# Altium PCB LeadAcidBatteryCharger.PcbDoc
Units mm, origin at the board's own origin, x right, y up, seen from the top; angles counter-clockwise.
Board outline 135.51 x 89.66 mm, 2 copper layers (Top Layer, Bottom Layer), stack 1 mm thick; 52 components, 32 nets, 186 pads, 16 vias.
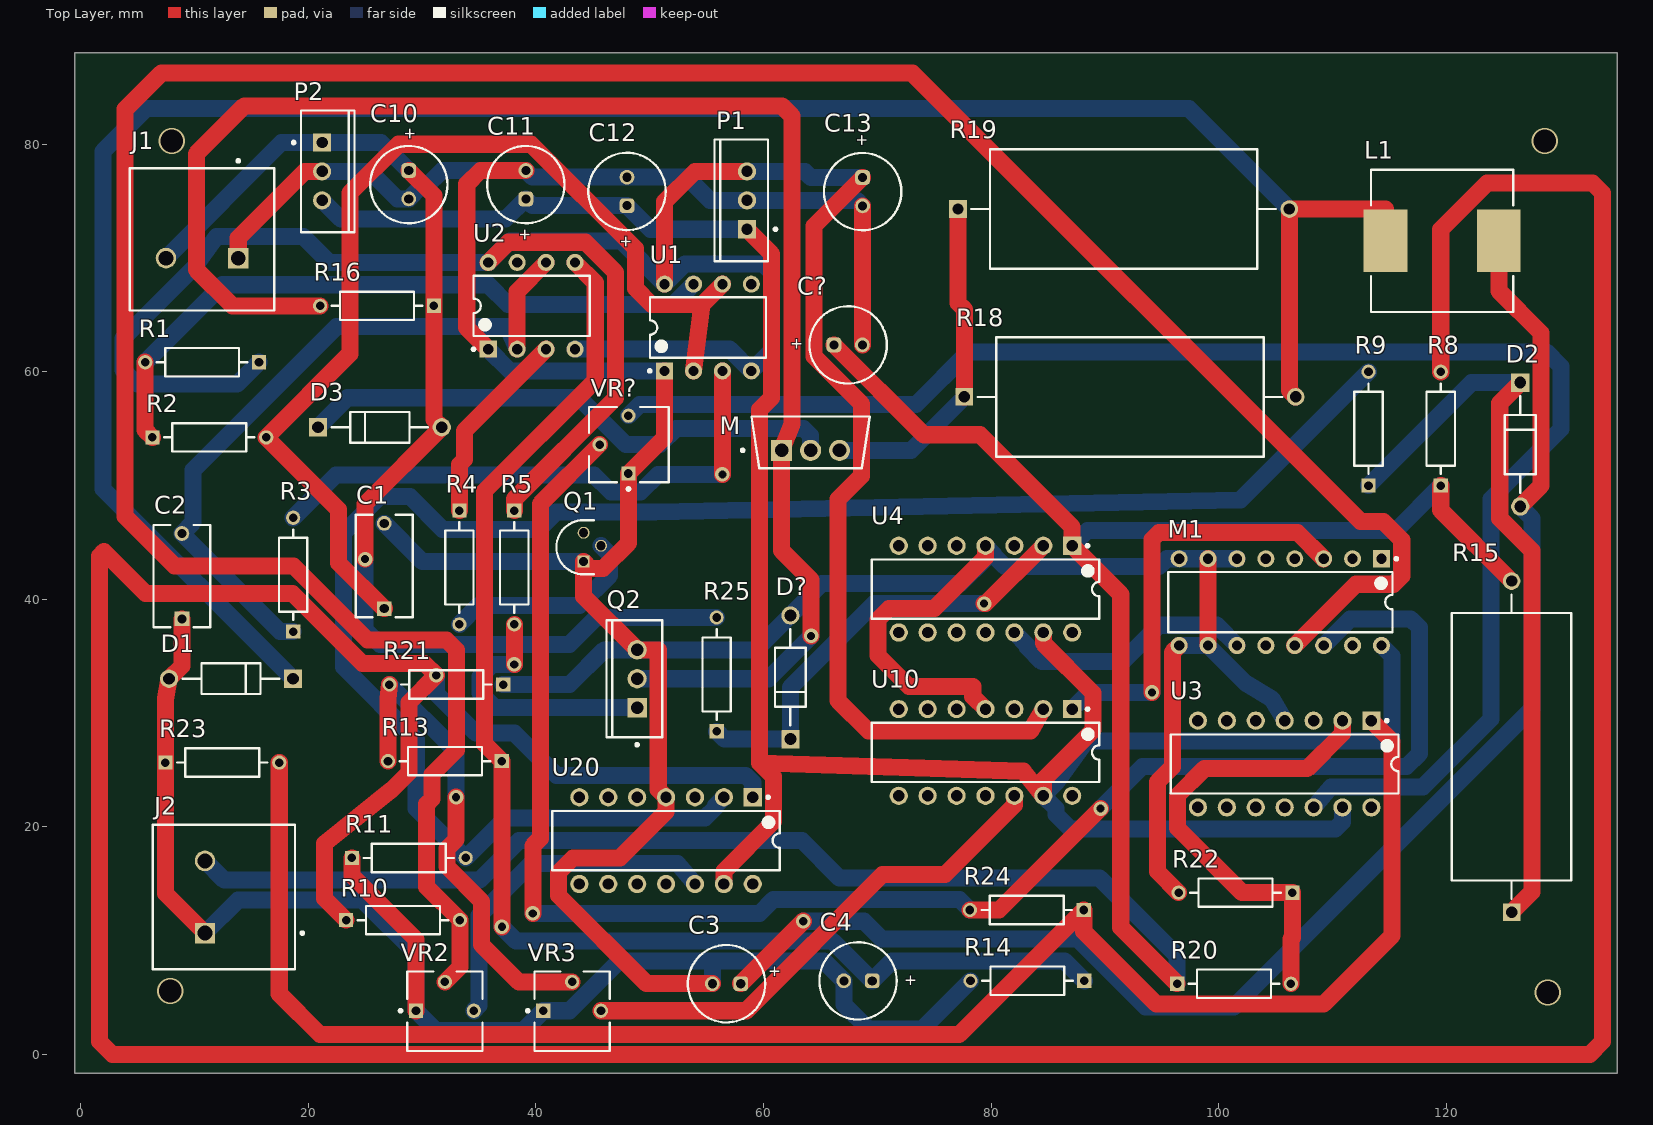
[diagram p0: Top Layer view]
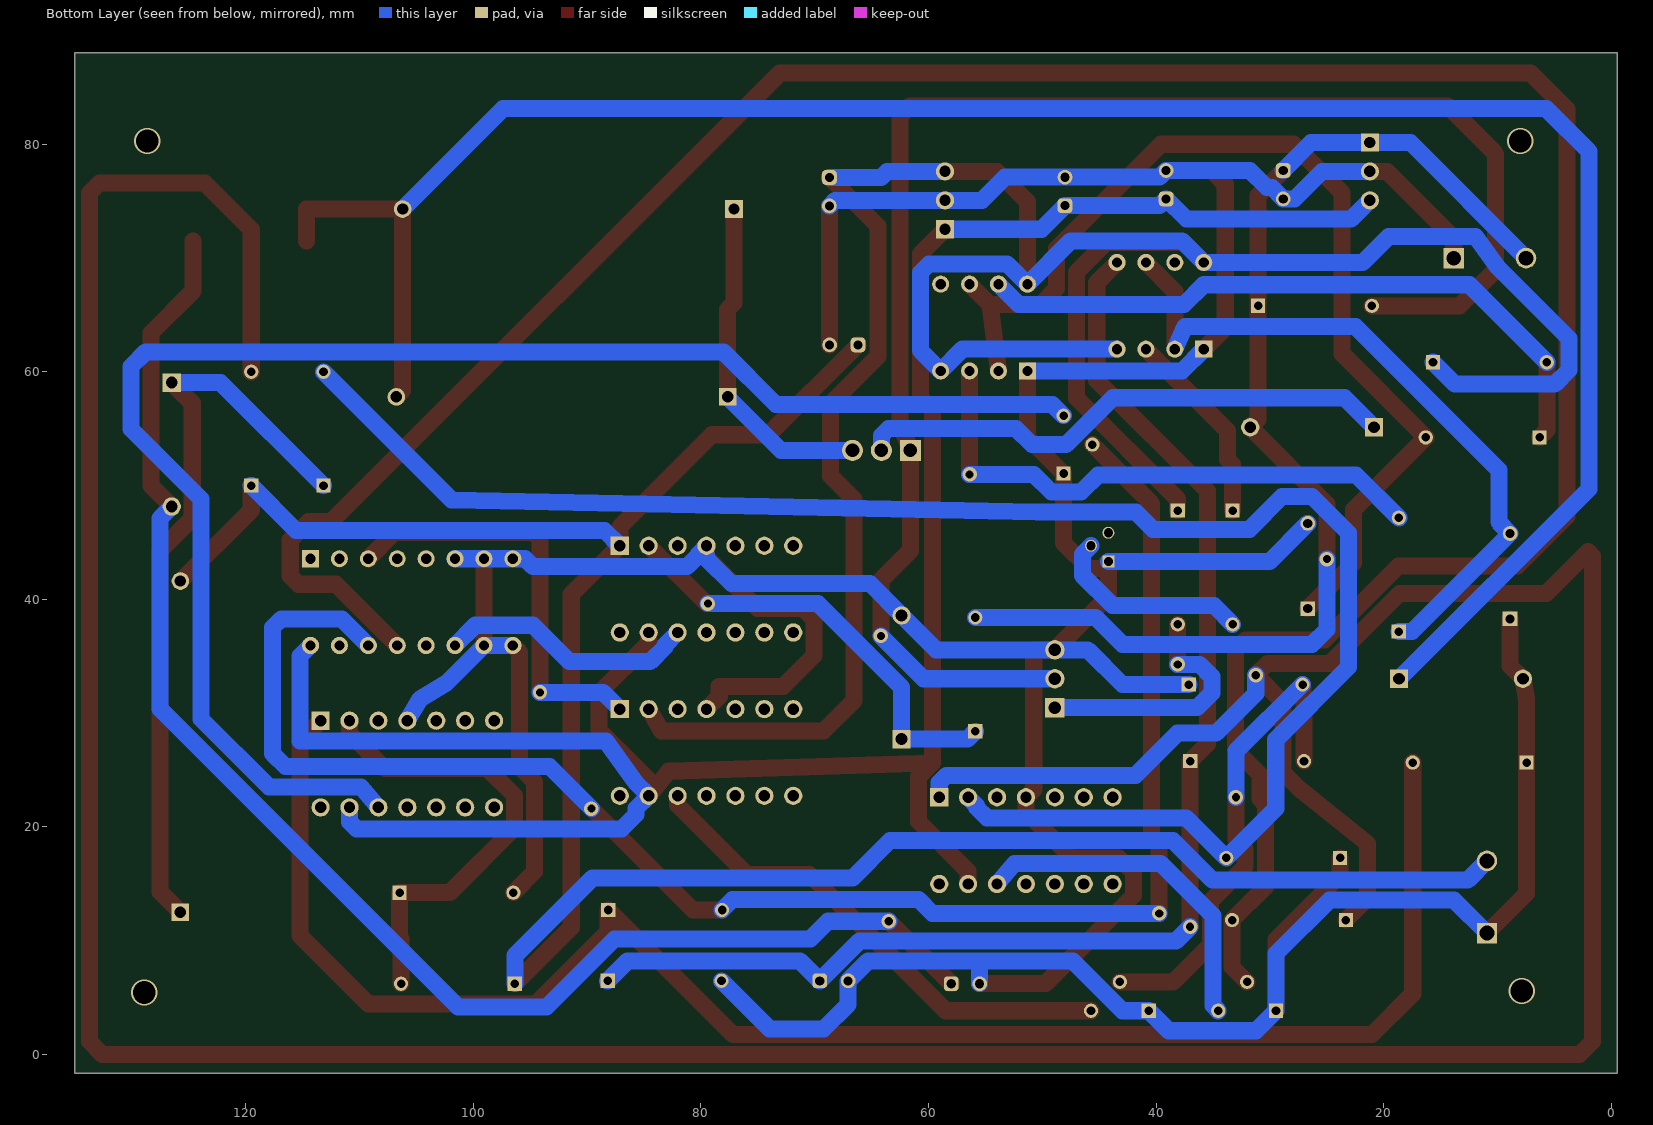
[diagram p1: Bottom Layer view, seen from below]
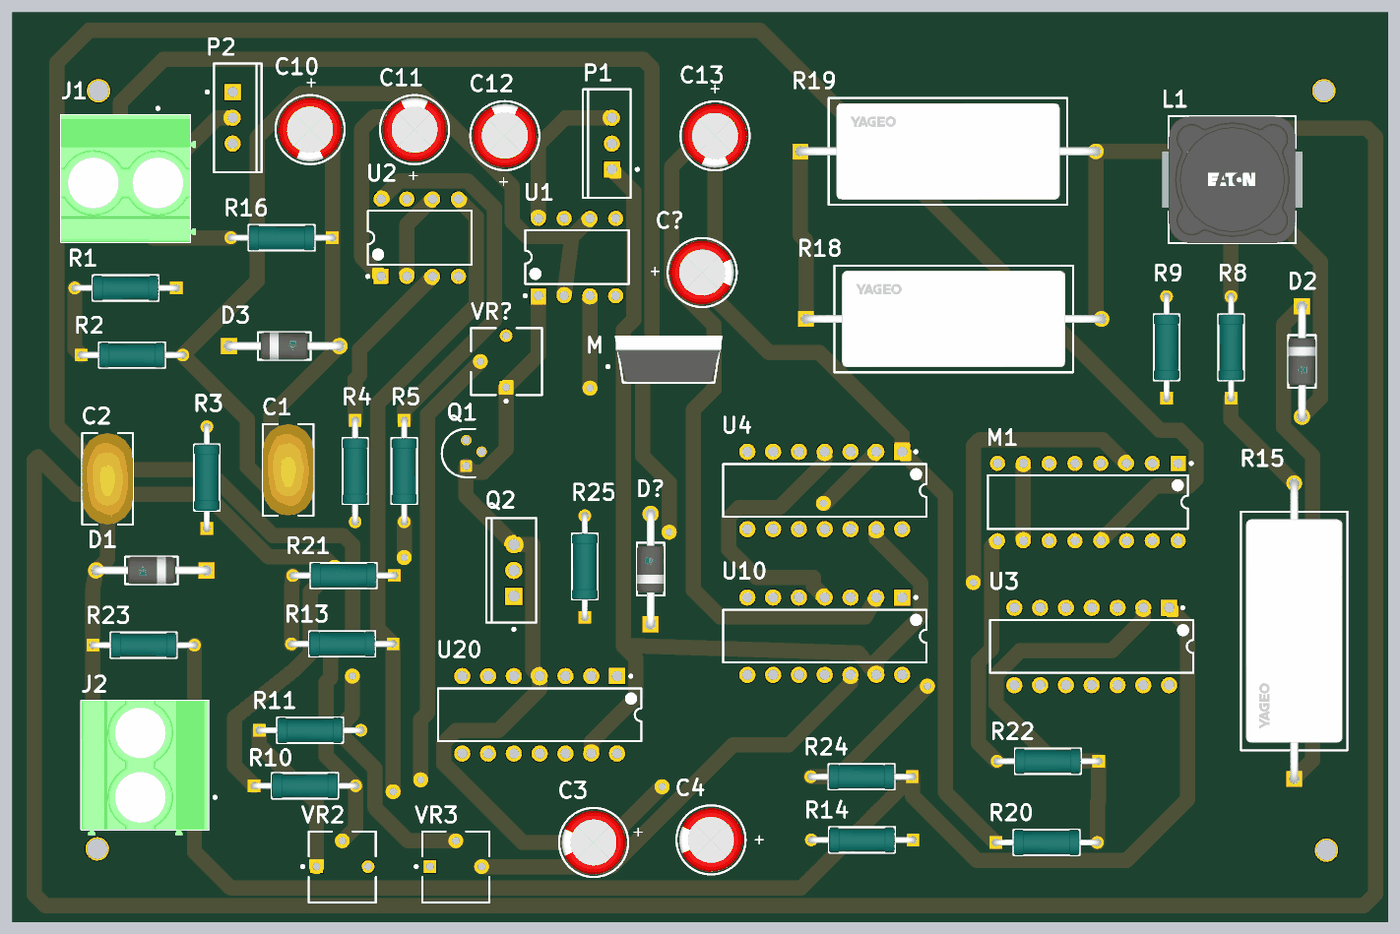
[diagram p2: 3D render of the assembled board from above, using the file's embedded part models]

## Layer stack, top to bottom
Top Solder: solder mask 0.05, Solder Resist, Dk 3.5
Top Layer: signal copper 0.1
Dielectric 1: dielectric 0.8, FR-4, Dk 4.8
Bottom Layer: signal copper 0.1
Bottom Solder: solder mask 0.05, Solder Resist, Dk 3.5

## Board outline
-0.508,-1.651 135.001,-1.651 135.001,88.011 -0.508,88.011

## Design rules (kind name [scope] priority, off if disabled: settings)
AssemblyTestpoint [All] p1: testpointundercomponent=TRUE minsize=1.016 maxsize=2.54 preferedsize=1.524 minholesize=0 maxholesize=1.016 preferedholesize=0.813 testpointgrid=0.025 usegrid=TRUE gridoriginx=25.4 gridoriginy=50.419 gridtolerance=0 allowsidetop=TRUE allowsidebottom=TRUE
Clearance Clearance_1_1 [OnMid vs OnMid] p1: gap=0.254 ignorepadtopadclearanceinfootprint=FALSE except(0: Arc-Hole Track-Hole SMDPad-Hole THPad-Hole Via-Hole Fill-Hole Poly-Hole Region-Hole Text-Hole) sourcerule=37 cellrowname=All cellrowtype=0 cellcolname=All cellcoltype=0 innerlayers=TRUE
Clearance Clearance_1_2 [(ExistsOnLayer('Top Layer') Or ExistsOnLayer('Bottom Layer')) vs (ExistsOnLayer('Top Layer') Or ExistsOnLayer('Bottom Layer'))] p2: gap=0.254 ignorepadtopadclearanceinfootprint=FALSE except(0: Arc-Hole Track-Hole SMDPad-Hole THPad-Hole Via-Hole Fill-Hole Poly-Hole Region-Hole Text-Hole) sourcerule=37 cellrowname=All cellrowtype=0 cellcolname=All cellcoltype=0 outerlayers=TRUE
Clearance Clearance_1 [All] p3: gap=0.254 ignorepadtopadclearanceinfootprint=FALSE except(0: Arc-Hole Track-Hole SMDPad-Hole THPad-Hole Via-Hole Fill-Hole Poly-Hole Region-Hole Text-Hole)
Clearance Clearance_2 [All] p4: gap=0.254 ignorepadtopadclearanceinfootprint=FALSE except(0: Arc-Hole Track-Hole SMDPad-Hole THPad-Hole Via-Hole Fill-Hole Poly-Hole Region-Hole Text-Hole)
FabricationTestpoint [All] p1: side=3 testpointundercomponent=TRUE minsize=1.016 maxsize=2.54 preferedsize=1.524 minholesize=0 maxholesize=1.016 preferedholesize=0.813 testpointgrid=0.025 allowsidetop=TRUE allowsidebottom=TRUE usegrid=TRUE gridoriginx=25.4 gridoriginy=50.419 gridtolerance=0
PolygonConnect [All] p1: connectstyle=Relief reliefconductorwidth=0.254 reliefentries=4 polygonreliefangle="90 Angle" airgapwidth=0.254
RoutingVias [All] p1: holewidth=0.711 width=1.27 viastyle="Through Hole" minholewidth=0.711 minwidth=1.27 maxholewidth=0.711 maxwidth=1.27
SolderMaskExpansion [All] p1: expansion=0.102 istentingtop=FALSE
Width [All] p1: maxlimit=1.5 minlimit=1.5 preferedwidth=1.5 minimp=50.000000 maximp=50.000000 favimp=50.000000
Width MaxMinWidth_1 [All] p2: maxlimit=1.5 minlimit=1.5 preferedwidth=1.5 minimp=50.000000 maximp=50.000000 favimp=50.000000
28 further rules are at their usual default settings.

## Components (designator, comment, footprint, x,y, rotation, side; value= is the part's Value field where it differs from the comment)
C1 "220pF" FP-VY2222M35Y5US6TV7-MFG 26.67,42.926 r90 top
C2 "22pF" FP-VY2222M35Y5US6TV7-MFG 8.89,42.037 r90 top
C3 "100uF" WCAP-ATLL_D6.3H15 56.749,6.223 r0 top
C4 "22uF" WCAP-ATLL_D6.3H15 68.306,6.477 r0 top
C10 "0.33uF" WCAP-ATLL_D6.3H15 28.829,76.434 r90 top
C11 "0.1uF" WCAP-ATLL_D6.3H15 39.116,76.434 r270 top
C12 "0.33uF" WCAP-ATLL_D6.3H15 48.006,75.839 r270 top
C13 "0.33uF" WCAP-ATLL_D6.3H15 68.707,75.819 r90 top
C? "100uF" WCAP-ATLL_D6.3H15 67.437,62.357 r180 top
D1 "1N5819" FP-1N5819-E3-54-MFG 13.208,33.02 r180 top
D2 "1N5819" FP-1N5819-E3-54-MFG 126.492,53.594 r270 top
D3 "1N5819" FP-1N5819-E3-54-MFG 26.289,55.118 r0 top
D? "1N5819" FP-1N5819-E3-54-MFG 62.357,33.147 r90 top
J1 "1714955" PHOE-1714955_V 10.668,69.977 r180 top
J2 "1714955" PHOE-1714955_V 10.922,13.843 r90 top
L1 "100u" FP-DR127-MFG 119.634,71.501 r0 top
M "IRFZ44VPBF" FP-PG-TO220-3-MFG 64.135,53.791 r90 top
M1 "CD4051BE" N0016A 105.41,39.751 r270 top
P1 "LM7805ct" NDE0003A 58.547,75.057 r90 top
P2 "LM7805ct" NDE0003A 21.209,77.597 r270 top
Q1 "2N3904BU" FAIR-TO-92 44.196,43.307 r90 top
Q2 "TIP120" ONSC-TO-220-3-221A-09 48.895,33.02 r180 top
R1 "1K" FP-MRS25-MFG 10.668,60.833 r180 top
R2 "15K" FP-MRS25-MFG 11.303,54.229 r0 top
R3 "15K" FP-MRS25-MFG 18.669,42.164 r90 top
R4 "1K" FP-MRS25-MFG 33.274,42.799 r270 top
R5 "100" FP-MRS25-MFG 38.1,42.799 r270 top
R8 "20K" FP-MRS25-MFG 119.507,54.991 r90 top
R9 "20K" FP-MRS25-MFG 113.157,54.991 r90 top
R10 "100K" FP-MRS25-MFG 28.321,11.811 r0 top
R11 "100K" FP-MRS25-MFG 28.829,17.272 r0 top
R13 "100" FP-MRS25-MFG 32.004,25.781 r180 top
R14 "1K" FP-MRS25-MFG 83.185,6.477 r180 top
R15 "1" FP-SQP500-MFG 125.73,27.051 r90 top
R16 "100" FP-MRS25-MFG 26.035,65.786 r180 top
R18 "24" FP-SQP500-MFG 92.202,57.785 r0 top
R19 "24" FP-SQP500-MFG 91.644,74.295 r0 top
R20 "4.7K" FP-MRS25-MFG 101.346,6.223 r0 top
R21 "1K" FP-MRS25-MFG 32.131,32.512 r180 top
R22 "1.8K" FP-MRS25-MFG 101.473,14.224 r180 top
R23 "4.7K" FP-MRS25-MFG 12.446,25.654 r0 top
R24 "1.8K" FP-MRS25-MFG 83.138,12.7 r180 top
R25 "1K" FP-MRS25-MFG 55.88,33.401 r90 top
U1 "NE555P" P0008A 55.118,63.881 r90 top
U2 "NE555P" P0008A 39.624,65.786 r90 top
U3 "LM747J/883" J0014A 105.791,25.527 r270 top
U4 "LM747J/883" J0014A 79.502,40.894 r270 top
U10 "LM747J/883" J0014A 79.502,26.543 r270 top
U20 "LM747J/883" J0014A 51.435,18.796 r270 top
VR2 "50" BOUR-3362P 32.004,3.81 r0 top
VR3 "3362P-1-104LF" BOUR-3362P 43.18,3.81 r0 top
VR? "3362P-1-104LF" BOUR-3362P 48.168,53.594 r90 top

## Footprints (in the part's own frame and the unit in brackets; to place one, negate y for a bottom-side part, rotate by r counter-clockwise, add the part's x,y. Pads: shape width x height; smd on the part's side, far side on the other; paste and mask are expansions set on the pad)
BOUR-3362P [mm] "THD, 3-Leads, Body 6.6x6.99mm, Pitch 2.54mm"
  rect 1.25x1.25 hole 0.75: 1(-2.54,0.035)
  round 1.25 hole 0.75: 2(0,2.575) 3(2.54,0.035)
  silkscreen extent -4.02,-3.49 3.3,3.49, body extent -3.3,-3.49 3.3,3.49, height 4.95
FAIR-TO-92 [mm] "TO, 3-Leads, Body Dia 4.79mm, Pitch 1.27mm"
  rect 1.05x1.05 hole 0.8 mask+0.05: 1(0,0)
  round 1.05 hole 0.8 mask+0.05: 2(1.397,-1.524) 3(2.54,0)
  silkscreen extent -1.11,-0.89 3.65,2.4, body extent -1.11,-1.21 3.65,2.4, height 5.33
FP-1N5819-E3-54-MFG [mm]
  rect 1.6x1.6 hole 1.05 paste-2539.97 mask+0: 1(-5.438,0)
  round 1.6 hole 1.05 paste-2539.97 mask+0: 2(5.438,0)
  silkscreen extent -4.24,-1.35 4.24,1.35, body extent -6.34,-1.45 6.34,1.45, height 0.25
FP-DR127-MFG [mm]
  rect 3.85x5.5 smd paste+0 mask+0: 1(-4.975,0) 2(4.975,0)
  silkscreen extent -6.25,-6.25 6.25,6.25, body extent -7,-6.35 7,6.35, height 0.25
FP-MRS25-MFG [mm]
  rect 1.25x1.25 hole 0.75 paste-2539.97 mask+0: 1(-5,0)
  round 1.25 hole 0.75 paste-2539.97 mask+0: 2(5,0)
  silkscreen extent -3.97,-1.25 3.97,1.25, body extent -5.72,-1.35 5.72,1.35, height 0.25
FP-PG-TO220-3-MFG [mm]
  rect 1.85x1.85 hole 1.2 paste-2539.97 mask+0: 1(-0.705,2.54)
  round 1.85 hole 1.2 paste-2539.97 mask+0: 2(-0.705,0) 3(-0.705,-2.54)
  silkscreen extent -2.28,-5.2 2.27,6.1, body extent -2.37,-5.55 2.37,5.55, height 0.25
FP-SQP500-MFG [mm]
  rect 1.55x1.55 hole 1 paste-2539.97 mask+0: 1(-14.555,0)
  round 1.55 hole 1 paste-2539.97 mask+0: 2(14.555,0)
  silkscreen extent -13.38,-5.25 13.38,5.25, body extent -15.43,-5.35 15.43,5.35, height 0.25
FP-VY2222M35Y5US6TV7-MFG [mm]
  rect 1.3x1.3 hole 0.8 paste-2539.97 mask+0: 1(-3.75,0)
  round 1.3 hole 0.8 paste-2539.97 mask+0: 2(3.75,0)
  silkscreen extent -4.5,-2.5 4.5,2.5, body extent -4.6,-2.6 4.6,2.6, height 0.25
J0014A [mm] "DIP, 14-Leads, Body 19.95x7.2mm, Pitch 2.54mm"
  rect 1.6x1.6 hole 1: 1(-3.81,7.62)
  round 1.6 hole 1: 2(-3.81,5.08) 3(-3.81,2.54) 4(-3.81,0) 5(-3.81,-2.54) 6(-3.81,-5.08) 7(-3.81,-7.62) 8(3.81,-7.62) 9(3.81,-5.08) 10(3.81,-2.54) 11(3.81,0) 12(3.81,2.54) 13(3.81,5.08) 14(3.81,7.62)
  silkscreen extent -3.93,-10 2.6,10, body extent -3.96,-9.97 3.96,9.97, height 5.08
N0016A [mm] "DIP, 16-Leads, Body 19.7x6.6mm, Pitch 2.54mm"
  rect 1.5x1.5 hole 0.9: 1(-3.81,8.89)
  round 1.5 hole 0.9: 2(-3.81,6.35) 3(-3.81,3.81) 4(-3.81,1.27) 5(-3.81,-1.27) 6(-3.81,-3.81) 7(-3.81,-6.35) 8(-3.81,-8.89) 9(3.81,-8.89) 10(3.81,-6.35) 11(3.81,-3.81) 12(3.81,-1.27) 13(3.81,1.27) 14(3.81,3.81) 15(3.81,6.35) 16(3.81,8.89)
  silkscreen extent -3.93,-9.85 2.65,10.32, body extent -3.95,-9.85 3.95,9.85, height 5.08
NDE0003A [mm] "FM, 3-Leads, Body 10.7x4.7mm, Pitch 2.54mm"
  rect 1.6x1.6 hole 1: 1(-2.54,0)
  round 1.6 hole 1: 2(0,0) 3(2.54,0)
  silkscreen extent -5.35,-2.63 5.35,2.85, body extent -5.4,-1.9 5.4,2.9, height 19.4
ONSC-TO-220-3-221A-09 [mm] "FM, 3-Leads, Body 10.3x4.85mm, Pitch 2.54mm"
  rect 1.7x1.7 hole 1.1: 1(0,2.54)
  round 1.7 hole 1.1: 2(0,0) 3(0,-2.54)
  silkscreen extent -2.21,-5.15 2.69,5.92, body extent -2.18,-5.15 2.67,5.15, height 19.85
P0008A [mm] "DIP, 8-Leads, Body 10.15x6.6mm, Pitch 2.54mm"
  rect 1.5x1.5 hole 0.9: 1(-3.81,3.81)
  round 1.5 hole 0.9: 2(-3.81,1.27) 3(-3.81,-1.27) 4(-3.81,-3.81) 5(3.81,-3.81) 6(3.81,-1.27) 7(3.81,1.27) 8(3.81,3.81)
  silkscreen extent -3.93,-5.1 2.65,5.23, body extent -3.95,-5.07 3.95,5.07, height 5.08
PHOE-1714955_V [mm] "Terminal Block, 2-Leads, Body 12.7x12.5mm, Pitch 6.35mm"
  rect 1.8x1.8 hole 1.3: 1(-3.175,0)
  round 1.8 hole 1.3: 2(3.175,0)
  silkscreen extent -6.35,-8.67 6.35,4.6, body extent -6.92,-7.9 6.35,4.6, height 21.51
WCAP-ATLL_D6.3H15 [mm] "Aluminum Electrolytic Capacitors, 6.3x15mm"
  rrect50% 1.3x1.3 hole 0.8: 1(1.25,0)
  round 1.3 hole 0.8: 2(-1.25,0)
  silkscreen extent -3.4,-3.4 3.4,3.4, body extent -3.14,-3.15 3.15,3.15, height 15.31

## Part data
C1 C2: library part AR215C104K4R, "AR 100nF Ceramic Multilayer Cap,50V dc,+125C,X7R Dielectric,+/-10%,Through Hole", Package="Radial AVX", Check_prices=https://www.snapeda.com/parts/AR215C104K4R/AVX/view-part/?ref=eda, MF=AVX, MP=AR215C104K4R, SnapEDA_Link=https://www.snapeda.com/parts/AR215C104K4R/AVX/view-part/?ref=snap
C3 C4 C10 C11 C12 C13 C?: library part CMP-03913-53914459-1, "860160573012 WCAP-ATLL Aluminum Electrolytic Capacitors", Capacitance=100µF, Case/Package=Radial, Leakage Current=35µA, Max Operating Temperature=105°C, Min Operating Temperature=-55°C, Ripple Current=378mA, Tolerance=20%, Voltage Rating=35V, Diameter=6.3mm, Height=15mm, Height - Seated (Max)=16.51mm, Impedance=470mΩ, Lead Pitch=2.4892mm, Length=15mm, Life (Hours)=3000hours, Material=Aluminium, Mount="Through Hole", NexarPartId=53914459, Packaging="Tape & Box (TB)", Pitch=2.5mm, Polarity=Polar, RoHS=Compliant
D1 D2 D3 D?: library part CMP-02539-000037-2, "DIODE SCHOTTKY 40V 1A DO204AL", Average Rectified Current=1A, Capacitance=110pF, Forward Voltage=900mV, Max Forward Surge Current (Ifsm)=25A, Max Operating Temperature=125°C, Max Repetitive Reverse Voltage (Vrrm)=40V, Min Operating Temperature=-65°C, Package Quantity=1, Peak Reverse Current=1mA, Current=1A, Current Rating=1A, Diameter=2.7mm, Element Configuration=Single, Forward Current=1A, Height=2.7mm, Lead Free="Lead Free", Length=5.2mm, Max Reverse Voltage (DC)=40V, Mount="Through Hole", Number of Pins=2, Output Current=1A, Packaging="Tape and Reel", Peak Non-Repetitive Surge Current=25A, Polarity=Standard, Radiation Hardening=No, Voltage=40V, Voltage Rating (DC)=40V, Width=2.7mm
J1 J2: library part CMP-2000-05797-1, "PC Terminal Block, Pitch 6.35 mm, 1 x 2 Position, Height 21.5 mm, Tail Lenght 5.1 mm, RoHS, Bulk", Manufacturer="Phoenix Contact", Package Description="PC Terminal Block, Pitch 6.35 mm, 1 x 2 Position, Height 21.5 mm, Tail Lenght 5.1 mm", Datasheet URL=http://media.digikey.com/pdf/Data%20Sheets/Phoenix%20Contact%20PDFs/1714955.pdf, Datasheet Version=02/2010, Manufacturer URL=http://www.phoenixcontact.com/, Mounting Technology=ThroughHole, Package Reference=1714955
L1: library part CMP-00112-51190308-2, "DR127-330-R Inductor Power Shielded Drum Core 33uH 20% 100KHz Ferrite 3.23A 60mOhm DCR T/R", Case/Package=Nonstandard, Current Rating=3.23A, DC Resistance (DCR)=60mΩ, Inductance=33µH, Inductance Tolerance=20%, Max DC Current=6.22A, Max Operating Temperature=125°C, Min Operating Temperature=-40°C, Self Resonant Frequency=100kHz, Composition=Wirewound, Core Material=Ferrite, Depth=12.5mm, Height=8mm, Height - Seated (Max)=8.001mm, Lead Free="Lead Free", Length=12.5mm, Military Standard=Not, Mount="Surface Mount", NexarPartId=51190308, Number of Pins=2, Packaging="Cut Tape", Radiation Hardening=No, REACH SVHC="No SVHC", Resistance=60mΩ, RMS Current (Irms)=3.23A, RoHS=Compliant, Saturation Current=6.22A, Schedule B="8504500000, 8504500000", Series Resistance=60mΩ, Shielding=Shielded, Termination=SMD/SMT, Test Frequency=100kHz, Tolerance=20%, Weight=5.896701g, Width=12.4968mm
M: library part CMP-32901-001154-1, "MOSFET N-CH 60V 55A TO220AB", Case/Package=TO-220, Continuous Drain Current (ID)=55A, Drain to Source Breakdown Voltage=60V, Drain to Source Resistance=16.5mR, Gate to Source Voltage (Vgs)=20V, Input Capacitance=1.812nF, Max Operating Temperature=175°C, Max Power Dissipation=115W, Min Operating Temperature=-55°C, Threshold Voltage=4V, Drain to Source Voltage (Vdss)=60V, Element Configuration=Single, Halogen Free="Halogen Free", Height=0.65inch, Lead Free="Lead Free", Length=0.42inch, Max Dual Supply Voltage=60V, Mount="Through Hole", Number of Pins=3, Packaging=Rail/Tube, Polarization=N, Power Dissipation=115W, Rds On Max=16.5mR, Reach SVHC Compliant=Yes, RoHS Compliant=Yes, Series=HEXFET®, Turn-Off Delay Time=40ns, Turn-On Delay Time=13ns, Width=0.19inch
M1: library part CMP-1575-00059-4, "CMOS Single 8-Channel Analog Multiplexer/Demultiplexer with Logic-Level Conversion, N0016A, TUBE", Generic Part Number=CD4051B, Manufacturer="Texas Instruments", Operating Temperature Range(C)="-55 to 125", Rating=Military, Bandwidth(Max)(MHz)=20, Code_JEDEC=MS-001, Configuration="1 X 1：8 MUX", Crosstalk=Yes, DatasheetVersion=SCHS047G, ICC(Typ)(mA)=0.00008, Output Drive (IOL/IOH)(Max)(mA)=1, Output Type=CMOS, PackageReference=N0016A, PackageVersion=http://www.ti.com/lit/ml/mpdi002c/mpdi002c.pdf, Ron(Max)(Ohms)=240, Ron(Typ)(Ohms)=125, VCC(Max)(V)=18, VCC(Min)(V)=5
P1 P2: library part CMP-0062-02468-3, "Series 3-Terminal Positive Regulators, 3-pin TO-220", Manufacturer="Texas Instruments", PackageTopMarking="NSUZXYTTE#*LM340T5*7805 P+", PowerWise=N, ComponentLink1Description="Datasheet URL", ComponentLink1URL=http://www.ti.com/general/docs/lit/getliterature.tsp?genericPartNumber=LM340-N&fileType=pdf, CompType="LDO IC", PackageDescription="TO-220, Molded, 3 Lead, Straight", PackageReference=NDE0003A, PinCount=3, RoHS=N
Q1: library part CMP-2000-04944-1, "NPN General-Purpose Amplifier, 40 V VCEO, 0.2 A, -55 to 150 degC, 2-Pin TO-92, RoHS, Bulk", Manufacturer=FairchildSemiconductor, Maximum Collector Base Voltage=60V, Maximum Collector Emitter Saturation Voltage=0.2@1mA@10mA, Maximum Collector Emitter Voltage=40V, Maximum DC Collector Current=0.2A, Maximum Operating Frequency=300(Min)MHz, Maximum Power Dissipation=625mW, Minimum DC Current Gain=40@0.1mA@1V, Operating Temperature=-55to150degC, Package=3TO-92, Package Description="3-Pin Transistor Outline Package, Body Dia 4.79 mm, Pitch 1.27 mm", Package Reference=TO-92, Category=GPBJT, Datasheet URL=https://datasheet.ciiva.com/4722/2n3904-82270-4722369.pdf, Datasheet Version="Rev. 1.1.0, 10/2014", Manufacturer URL=https://www.fairchildsemi.com/, Mounting=ThroughHole, Packaging=Bulk, Pin Count=3, Rad Hard=No, Type=NPN
Q2: library part CMP-1047-00140-1, "Plastic Medium-Power, Complementary Silicon Transistor, 3-Pin TO-220, Tube", Manufacturer="On Semiconductor", ComponentLink1Description="Manufacturer URL", ComponentLink1URL=http://www.onsemi.com/, ComponentLink2Description=Datasheet, ComponentLink2URL=http://www.onsemi.cn/pub_link/Collateral/TIP120-D.PDF, ComponentLink3Description="Package Specification", ComponentLink3URL=http://www.onsemi.com/pub_link/Collateral/221A-09.PDF, DatasheetVersion="Rev. 8", IC Continuous (A)=5, Mounting Technology="Through Hole", PackageDescription="3-Pin Flange Mount, Vertical Straight Lead, Body 9.97 x 4.445 mm, Pitch 2.54 mm", PackageReference=TO-220-3-221A-09, PackageVersion="Rev. AG, 09/2011", Packing=Tube, PartNumber=TIP120, Polarity=NPN, RoHS=FALSE
R1 R2 R3 R4 R5 R8 R9 R10 R11 R13 R14 R16 R20 R21 R22 R23 R24 R25: library part CMP-00030-42757237-1, "MRS25000C1000FRP00 Resistor, 100 Ohm, ± 1%, 600 mW, Axial Leaded, Metal Film (Thin Film), Professional", Case/Package=Axial, Max Operating Temperature=155°C, Max Power Dissipation=600mW, Min Operating Temperature=-55°C, Resistance=100Ω, Temperature Coefficient=50ppm/°C, Tolerance=1%, Voltage Rating=350V, Composition="Metal Film, Thin Film", Contact Plating=Tin, Diameter=2.5mm, Lead Diameter=600µm, Lead Free="Lead Free", Length=6.5mm, Military Standard=Not, Mount="Through Hole", NexarPartId=42757237, Number of Pins=2, Number of Terminations=2, Packaging="Tape & Reel (TR)", Power Rating=600mW, Radiation Hardening=No, REACH SVHC=Unknown, RoHS=Compliant, Schedule B="8533210090, 8533210090", Termination=Axial, Voltage Rating (DC)=350V, Width=2.5mm
R15 R18 R19: library part SQP500JB-0R33, "330 mOhms Â±5% 5W Through Hole Resistor Axial Anti-Arc, Flame Proof, Moisture Resistant, Safety Wirewound", Package=None, Check_prices=https://www.snapeda.com/parts/SQP500JB-0R33/Yageo/view-part/?ref=eda, MF=Yageo, MP=SQP500JB-0R33, SnapEDA_Link=https://www.snapeda.com/parts/SQP500JB-0R33/Yageo/view-part/?ref=snap
U1 U2: library part CMP-2000-04954-1, "Precision Timer, 4.5 to 16 V, 0 to 70 degC, 8-Pin DIP, Pb-Free, Tube", Manufacturer=TexasInstruments, Maximum High Level Output Current=-200mA, Maximum Low Level Output Current=200mA, Operating Supply Voltage=5, Package=8PDIP, Package Description="8-Pin Double In-line Package, Body 9.59 x 6.35 mm, Pitch 2.54 mm", Package Reference=P8, Category=Timer, Datasheet URL=http://www.ti.com/general/docs/lit/getliterature.tsp?genericPartNumber=NE555&fileType=pdf, Datasheet Version="Rev. I, 09/2014", Manufacturer URL=http://www.ti.com/, Number of Internal Timers=1, Package URL=http://www.ti.com/lit/ml/mpdi001b/mpdi001b.pdf, Packaging=Rail/Tube, Rad Hard=No, Type=Standard
U3 U4 U10 U20: library part CMP-0055-00145-3, "Dual Operational Amplifier, 14-pin CerDIP", Manufacturer="Texas Instruments", Package Reference=J0014A, PackageTopMarking="NSZSSXXYYA*LM747J/883 Q", PowerWise=N, ComponentLink1Description="Datasheet URL", ComponentLink1URL=http://www.ti.com/general/docs/lit/getliterature.tsp?genericPartNumber=LM747QML&fileType=pdf, CompType=Amplifiers, High-Reliability=Y, PackageDescription="Cerdip, .400 x .310in Body, 14 Lead, .300in Centers, .100in Pitch", PinCount=14, RoHS=N
VR2 VR3 VR?: library part CMP-1747-00003-1, "Square Trimpot(R) Trimming Potentiometer, 100 KOhm, 300 V, -55 to 125 degC, 3-Pin THD, RoHS, Tube", Case\Package=Axial, Max Operating Temperature="155 degC", Min Operating Temperature="-55 degC", Package Quantity=200, Power Rating="250 mW", Resistance="1 mohm", Tolerance=1%, Voltage Rating="250 V", ComponentLink1Description="Manufacturer URL", ComponentLink1URL=http://www.bourns.com/, ComponentLink2Description=Datasheet, ComponentLink2URL=http://www.bourns.com/docs/Product-Datasheets/3362.pdf, DatasheetVersion=May-16, Length="0.248 inch", Mount="Through Hole", PackageDescription="3-Pin Through Hole Device, Body 6.6 x 6.99 mm, Pitch 2.54 mm", PackageReference=3326P, Packaging=Bulk, RoHSCompliant=true

## Via types
v1: diameter 1.27, hole 0.711, Top Layer to Bottom Layer, 12 vias
v2: diameter 2.3, hole 2, Top Layer to Bottom Layer, 4 vias

## Nets (pads, with @x,y where several pads share a name; then routed paths per layer and width w, separated by ;. In a path a pad name is that pad's centre, name@x,y a point inside that pad or via, vN(x,y) a via of type N, cw(c..) or ccw(c..) an arc to the next point about the centre after c; other vN are vias at no path point)
GND: C1.2 C2.1 C3.2 C4.2 C10.2 C11.2 C12.2 C13.2 C?.2 D1.2 D?.2 J1.1 J2.1 M1.6 M1.7 M1.8 M1.9 M1.10 P1.2 P2.2 Q1.1 Q2.3 R11.1 R14.2 R21.1 R22.2 R23.1 U1.1 U2.1 U3.4 U4.4 U10.4 U20.4 VR2.1 VR3.1 VR?.1 | length 481.5
  Top Layer w1.5: C2.1 8.89,34.14 D1.2 7.446,31.257 R23.1 7.446,14.144 J2.1 ; J1.1 13.843,71.755 19.685,77.597 P2.2 ; R11.1 23.829,15.743 29.464,10.108 VR2.1 ; U2.1 33.921,63.869 33.921,76.477 35.128,77.684 C11.2 ; U1.1 51.308,54.229 VR?.1 48.133,44.933 45.898,42.697 44.806,42.697 Q1.1 44.196,40.259 Q2.3 50.749,35.56 50.749,23.292 U20.4 51.435,21.336 47.371,17.272 43.256,17.272 41.986,16.002 41.986,13.97 49.733,6.223 C3.2 ; C?.2 68.687,68.453 68.707,68.473 C13.2 ; U10.4 78.384,31.471 78.384,32.334 72.771,32.334 70.053,35.052 70.053,38.227 71.018,39.192 75.006,39.192 79.502,43.688 U4.4 ; R22.2 94.613,16.084 94.613,23.965 95.923,25.275 95.923,35.344 M1.9 ; M1.10 M1.7
  Bottom Layer w1.5: J2.1 13.819,13.565 24.765,13.565 29.464,8.866 VR2.1 31.218,2.091 38.886,2.091 VR3.1 42.944,3.845 47.303,8.204 55.499,8.204 ; P2.2 25.425,77.597 27.838,75.184 C10.2 29.82,76.175 30.251,76.175 31.761,77.684 C11.2 39.711,77.089 C12.2 53.264,77.089 55.296,75.057 P1.2 68.219,75.057 C13.2 ; C1.2 30.039,43.307 Q1.1 ; U2.1 37.719,60.071 U1.1 ; R21.1 42.96,32.512 46.008,35.56 Q2.3 59.332,35.56 D?.2 65.15,41.378 77.319,41.378 79.502,43.561 79.502,43.866 ; C3.2 55.499,8.204 ; R14.2 73.944,2.236 69.214,2.236 67.056,4.394 C4.2 65.329,8.204 55.499,8.204 ; U4.4 80.213,43.993 80.213,43.866 81.204,42.875 94.767,42.875 95.453,43.561 M1.8 M1.7 M1.6 ; M1.9 M1.10 102.362,32.639 104.673,31.242 U3.4
NetC1_1: C1.1 R2.2 U1.2 U1.6 | length 92.9
  Top Layer w1.5: C1.1 22.657,43.189 22.657,47.875 R2.2 23.647,61.573 23.647,75.692 27.94,79.985 39.573,79.985 48.744,70.813 48.744,67.334 50.165,65.913 54.61,65.913 ; U1.2 54.61,65.913 ; U1.6 54.61,65.913
NetC2_2: C2.2 R3.1 U2.2 U2.6 | length 63
  Top Layer w1.5: U2.2 38.354,67.056 U2.6
  Bottom Layer w1.5: R3.1 17.513,37.164 C2.2 9.881,46.778 9.881,51.359 22.479,63.957 37.465,63.957 U2.2
NetC3_1: C3.1 D2.2 L1.2 | length 129.6
  Top Layer w1.5: C3.1 v1(63.488,11.712) ; L1.2 124.609,67.11 128.321,63.398 128.321,49.985 D2.2
  Bottom Layer w1.5: v1(63.488,11.712) 68.837,11.712 70.389,10.16 87.579,10.16 93.574,4.166 101.321,4.166 127.533,30.378 127.533,47.115 D2.2
NetC4_1: C4.1 R13.1 R14.1 U2.5 | length 118.4
  Top Layer w1.5: v1(37.004,11.228) R13.1 35.484,27.301 35.484,49.505 45.212,59.233 45.212,67.818 U2.5
  Bottom Layer w1.5: v1(37.004,11.228) 38.274,9.958 66.075,9.958 C4.1 71.31,8.231 86.431,8.231 R14.1
NetC10_1: C10.1 D3.2 J1.2 P2.1 R16.1 R25.2 | length 103.3
  Top Layer w1.5: v1(24.994,43.536) 24.994,48.385 D3.2 31.035,55.81 R16.1 31.035,75.478 C10.1
  Bottom Layer w1.5: J1.2 17.653,80.137 P2.1 26.376,80.137 C10.1 ; v1(24.994,43.536) 24.994,37.339 26.29,36.043 42.951,36.043 45.31,38.401 R25.2
NetC11_1: C11.1 C12.1 M1.16 P1.1 P2.3 U3.13 U4.13 U10.13 U20.13 | length 216.1
  Top Layer w1.5: U20.13 56.515,16.104 60.884,20.472 60.884,24.409 59.665,25.629 ; P1.1 60.706,70.358 60.706,57.709 59.665,56.667 59.665,25.629 ; U4.13 84.582,36.144 88.951,31.775 88.951,28.499 84.582,24.13 U10.13 82.829,24.892 59.665,25.629
  Bottom Layer w1.5: P2.3 22.86,73.406 37.338,73.406 C11.1 39.711,74.589 C12.1 50.078,72.517 P1.1 ; U3.13 110.871,20.447 110.236,19.812 86.97,19.812 85.7,21.082 85.7,21.615 U10.13 85.7,23.851 88.341,27.533 115.215,27.533 115.215,35.026 M1.16
NetC13_1: C13.1 P1.3 R1.1 R5.1 U1.4 U1.8 U2.4 U2.8 U10.2 | length 241.2
  Top Layer w1.5: U2.8 37.592,71.374 44.348,71.374 46.99,68.732 46.99,57.687 38.1,48.797 R5.1 ; U1.8 51.308,74.93 53.975,77.597 P1.3 ; C13.1 64.433,72.795 64.433,61.348 68.605,57.175 68.605,50.851 66.548,48.793 66.548,31.09 69.215,28.423 83.464,28.423 U10.2
  Bottom Layer w1.5: R1.1 13.738,58.903 4.978,58.903 3.723,60.158 3.723,62.916 10.008,69.2 11.938,71.882 19.558,71.882 21.844,69.596 U2.8 37.719,71.501 47.498,71.501 U1.8 53.086,69.469 59.944,69.469 60.706,68.707 60.706,61.849 U1.4 57.023,61.976 U2.4 ; P1.3 63.627,77.597 64.155,77.069 C13.1
NetC?_1: C?.1 J2.2 R8.1 R15.2 R20.1 U4.1 | length 211.3
  Top Layer w1.5: C?.1 74.086,54.458 79.019,54.458 87.122,46.355 U4.1 91.389,40.437 91.389,11.18 R20.1 ; R8.1 119.507,47.829 R15.2
  Bottom Layer w1.5: J2.2 12.621,15.319 35.053,15.319 38.53,18.796 63.373,18.796 66.675,15.494 89.535,15.494 96.346,8.683 R20.1 ; U4.1 88.468,46.05 115.566,46.05 R8.1
NetD1_1: D1.1 L1.1 R18.2 R19.2 | length 190.7
  Top Layer w1.5: R18.2 106.199,58.343 R19.2 114.659,74.295 L1.1
  Bottom Layer w1.5: D1.1 1.969,49.697 1.969,79.363 5.715,83.109 97.385,83.109 R19.2
NetD2_1: D2.1 R9.1 R15.1 | length 66.3
  Top Layer w1.5: R15.1 127.533,14.299 127.533,44.272 124.688,47.117 124.688,57.228 D2.1
  Bottom Layer w1.5: R9.1 122.198,59.032 D2.1
NetD3_1: D3.1 M.2 | length 48.2
  Bottom Layer w1.5: D3.1 23.442,57.709 43.782,57.709 47.897,53.594 50.902,53.594 52.324,55.016 63.5,55.016 64.135,54.381 M.2
NetD?_1: D?.1 R25.1 U4.2 | length 38.7
  Top Layer w1.5: v1(79.375,39.624) 79.513,39.624 84.582,44.693 U4.2
  Bottom Layer w1.5: R25.1 56.572,27.709 D?.1 62.357,32.258 69.723,39.624 v1(79.375,39.624)
NetM1_3: M1.3 U10.1 | length 37.4
  Top Layer w1.5: v1(94.132,31.826) 94.132,45.263 94.742,45.872 106.909,45.872 M1.3
  Bottom Layer w1.5: U10.1 88.595,31.826 v1(94.132,31.826)
NetM1_11: M1.11 U4.12 | length 22.8
  Bottom Layer w1.5: U4.12 83.16,35.966 83.16,35.814 84.455,34.519 91.542,34.519 94.742,37.719 99.822,37.719 M1.11
NetM1_13: M1.13 R10.2 VR2.2 | length 247.3
  Top Layer w1.5: VR2.2 33.321,7.702 R10.2 30.404,14.728 30.404,21.996 30.863,22.456 30.863,24.613 33.02,26.77 33.02,35.535 32.131,36.424 25.197,36.424 18.694,42.926 8.255,42.926 3.912,47.269 3.912,83.058 7.087,86.233 73.076,86.233 112.471,46.838 114.452,46.838 116.078,45.212 116.078,42.037 115.367,41.326 112.065,41.326 M1.13
NetM1_14: M1.14 R24.2 VR?.2 | length 148.9
  Top Layer w1.5: v1(39.726,12.395) 39.726,18.339 40.386,18.999 40.386,48.387 VR?.2 ; R24.2 80.696,12.7 v1(89.611,21.615)
  Bottom Layer w1.5: v1(39.726,12.395) 59.639,12.395 60.858,13.614 77.224,13.614 R24.2 ; v1(89.611,21.615) 93.294,25.298 116.488,25.298 117.627,26.437 117.627,37.516 116.865,38.278 111.557,38.278 M1.14
NetM_1: M.1 Q2.2 R16.2 | length 140.6
  Top Layer w1.5: R16.2 13.335,65.786 10.16,68.961 10.16,79.146 14.376,83.363 61.605,83.363 62.484,82.484 62.484,55.397 M.1 61.595,44.272 64.186,41.681 v1(64.186,36.779)
  Bottom Layer w1.5: Q2.2 60.427,33.02 v1(64.186,36.779)
NetM_3: M.3 R18.1 R19.1 | length 29.7
  Top Layer w1.5: R19.1 77.089,66.04 77.647,65.482 R18.1
  Bottom Layer w1.5: M.3 72.948,53.086 R18.1
NetQ1_2: Q1.2 R4.2 | length 17.9
  Bottom Layer w1.5: R4.2 34.921,39.446 43.815,39.446 46.482,42.113 46.482,43.942 Q1.2
NetQ2_1: Q2.1 R5.2 | length 22.7
  Top Layer w1.5: v1(38.1,34.289) R5.2
  Bottom Layer w1.5: v1(38.1,34.289) 36.195,34.289 35.103,33.196 35.103,31.775 36.398,30.48 Q2.1
NetR1_2: R1.2 R2.1 U1.7 | length 59.3
  Top Layer w1.5: R1.2 5.668,54.864 R2.1
  Bottom Layer w1.5: R1.2 12.475,67.64 35.814,67.64 37.541,65.913 52.07,65.913 U1.7
NetR3_2: R3.2 U1.3 | length 49.6
  Top Layer w1.5: v1(56.388,50.978) U1.3
  Bottom Layer w1.5: R3.2 22.432,50.927 45.085,50.927 46.587,49.425 49.196,49.425 50.749,50.978 v1(56.388,50.978)
NetR4_1: R4.1 U2.3 | length 17.3
  Top Layer w1.5: R4.1 33.274,51.841 33.706,52.273 33.706,54.788 U2.3
NetR8_2: R8.2 R10.1 U20.1 | length 374
  Top Layer w1.5: R10.1 21.412,13.72 21.412,18.542 27.305,23.253 28.841,24.79 28.841,30.924 v1(31.242,33.325) 30.201,34.366 24.765,34.366 18.618,40.513 5.715,40.513 2.032,44.196 1.651,43.815 1.651,1.143 2.795,-0.001 132.597,-0.001 133.731,1.133 133.731,75.702 132.852,76.581 123.594,76.581 119.507,72.494 R8.2
  Bottom Layer w1.5: v1(31.242,33.325) 31.242,31.723 34.72,28.245 38.1,28.245 41.808,24.536 58.42,24.536 59.055,23.901 U20.1
NetR9_2: R9.2 R11.2 U20.2 | length 155.9
  Bottom Layer w1.5: U20.2 55.778,21.869 55.778,21.717 54.863,20.802 37.359,20.802 R11.2 29.485,21.616 29.485,27.665 23.089,34.061 23.089,45.822 26.289,49.022 28.931,49.022 31.801,46.152 40.259,46.152 41.778,47.671 50.444,47.671 101.909,48.743 R9.2
NetR13_2: R13.2 R21.2 VR3.2 | length 42.9
  Top Layer w1.5: R13.2 27.004,31.289 R21.2 ; v1(32.995,22.606) 32.995,18.898 32.182,18.085 32.182,16.51 35.23,13.462 35.23,9.652 38.497,6.385 VR3.2
  Bottom Layer w1.5: R21.2 32.995,26.648 v1(32.995,22.606)
NetR20_2: R20.2 R22.1 U3.2 | length 41.2
  Top Layer w1.5: R20.2 106.346,10.16 106.473,10.287 R22.1 102.057,14.224 96.367,19.914 96.367,22.758 98.73,25.121 107.772,25.121 110.871,28.219 U3.2
NetR23_2: R23.2 R24.1 U3.1 | length 150.8
  Top Layer w1.5: R23.2 17.446,5.338 21.031,1.753 77.191,1.753 R24.1 88.138,10.82 94.513,4.445 109.22,4.445 115.24,10.465 115.24,27.508 U3.1
NetU3_12: U3.12 VR?.3 | length 137.2
  Bottom Layer w1.5: VR?.3 49.124,57.125 73.406,57.125 78.029,61.747 128.778,61.747 130.073,60.452 130.073,54.966 123.927,48.819 123.927,29.49 117.958,23.521 109.855,23.521 U3.12
NetU10_12: U10.12 VR3.3 | length 44.6
  Top Layer w1.5: VR3.3 58.48,3.845 70.46,15.824 75.946,15.824 82.042,21.92 U10.12
NetU20_12: U20.12 VR2.3 | length 30.3
  Bottom Layer w1.5: VR2.3 34.997,4.298 34.997,12.192 39.595,16.79 52.45,16.79 U20.12
pads on no net: M1.1 M1.2 M1.4 M1.5 M1.12 M1.15 Q1.3 U1.5 U2.7 U3.3 U3.5 U3.6 U3.7 U3.8 U3.9 U3.10 U3.11 U3.14 U4.3 U4.5 U4.6 U4.7 U4.8 U4.9 U4.10 U4.11 U4.14 U10.3 U10.5 U10.6 U10.7 U10.8 U10.9 U10.10 U10.11 U10.14 U20.3 U20.5 U20.6 U20.7 U20.8 U20.9 U20.10 U20.11 U20.14
copper on no net:
  other v2: 128.905,5.461 7.874,5.588 8.001,80.264 128.651,80.264

## Text inside footprints (layer, text, board x,y; h text height)
C3: Top Overlay "+" at 60.432,6.858 h1
C4: Top Overlay "+" at 72.35,6.096 h1
C10: Top Overlay "+" at 29.337,80.351 h1 r90
C11: Top Overlay "+" at 38.608,72.604 h1 r270
C12: Top Overlay "+" at 47.498,72.009 h1 r270
C13: Top Overlay "+" at 69.088,79.756 h1 r90
C?: Top Overlay "+" at 63.5,62.865 h1 r180